# Altium PCB PCB_3U_DDS.PcbDoc (part 9 of 12)
Units mil, origin at the board's own origin, x right, y up, seen from the top; angles counter-clockwise.
Board outline 6338.37 x 3937 mil, 6 copper layers (L1, P2, L3, L4, P5, L6), stack 64.885 mil thick; 954 components, 537 nets, 3358 pads, 2342 vias.
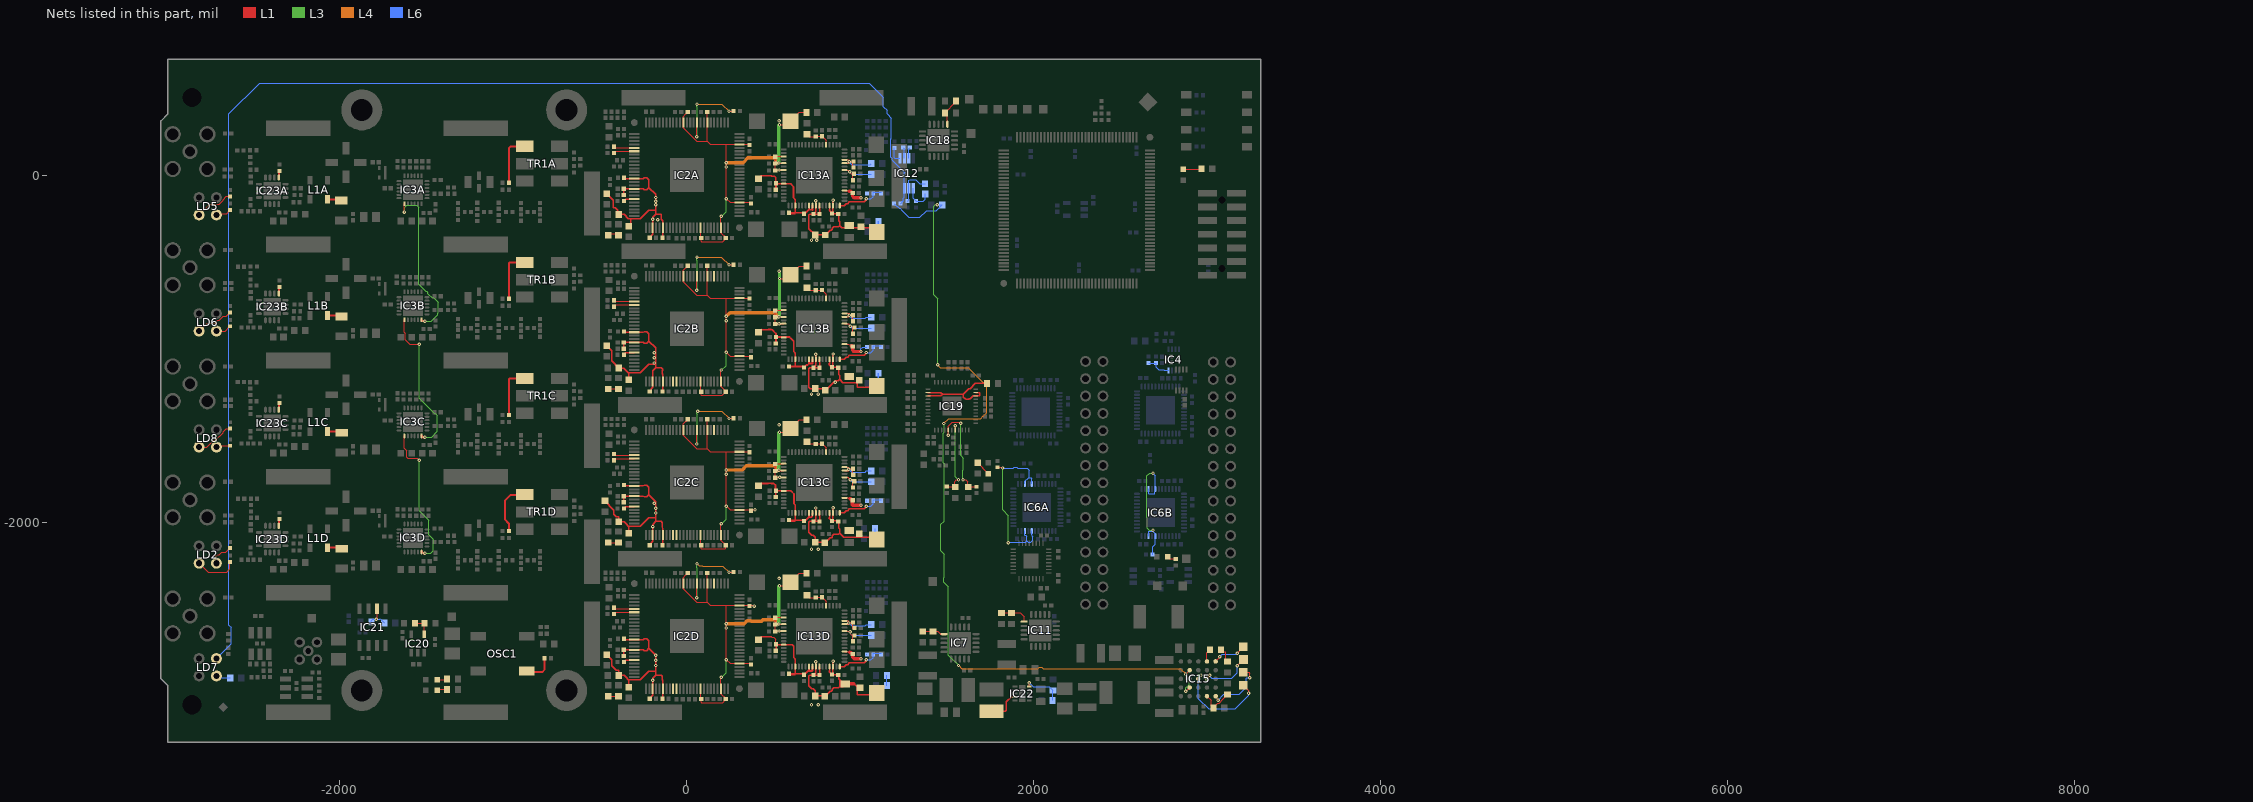
[diagram p13: the nets of this part, all layers, seen from the top]

## Via types
v1: diameter 19.68, hole 7.87, L1 to L6, tented both sides, 2254 vias
v2: diameter 23.62, hole 11.81, L1 to L6, tented both sides, 88 vias

## Nets (pads, with @x,y where several pads share a name; then routed paths per layer and width w, separated by ;. In a path a pad name is that pad's centre, name@x,y a point inside that pad or via, vN(x,y) a via of type N, cw(c..) or ccw(c..) an arc to the next point about the centre after c; other vN are vias at no path point) (continued)
NetIC2A_60: IC2A.60 R100A.1 | length 500.3
  L1 w5: v1(57.33,221.67) 57.33,301.43 IC2A.60@59.06,303.15 ; v1(243.11,368.99) 268.7,368.99 R100A.1@269.69,369.98
  L3 w5: v1(57.33,221.67) 58.68,223.02 58.68,394.3 57.33,395.65 57.33,408.5 v1(58.54,409.7)
  L4 w5: v1(58.54,409.7) 202.4,409.7 v1(243.11,368.99)
NetIC2A_80: IC2A.80 R56A.1 | length 118.9
  L1 w5: R56A.1@-420.47,161.31 -416.64,157.48 IC2A.80@-303.15,157.48
NetIC2A_81: IC2A.81 R78A.1 | length 131.3
  L1 w5: R78A.1@-420.47,121.94 R78A.1@-420.47,127.85 -420.47,134.54 -417.22,137.8 IC2A.81@-303.15,137.8
NetIC2A_95: IC2A.95 R88A.2 | length 64.4
  L1 w8: R88A.2@-362.6,-149.71 -351.77,-138.88 -304.24,-138.88 IC2A.95@-303.15,-137.8
NetIC2B_9: IC2B.9
NetIC2B_10: IC2B.10
NetIC2B_55: IC2B.55
NetIC2B_60: IC2B.60 R100B.1 | length 505.8
  L1 w5: v1(57.33,-664.16) 57.33,-584.4 IC2B.60@59.06,-582.68 ; v1(243.11,-516.83) 268.7,-516.83 R100B.1@269.69,-515.85
  L3 w5: v1(57.33,-664.16) 58.68,-662.81 58.68,-491.53 57.33,-490.18 57.33,-473.39 v1(58.54,-472.19)
  L4 w5: v1(58.54,-472.19) 198.46,-472.19 v1(243.11,-516.83)
NetIC2B_80: IC2B.80 R56B.1 | length 118.9
  L1 w5: R56B.1@-420.47,-724.51 -416.64,-728.35 IC2B.80@-303.15,-728.35
NetIC2B_81: IC2B.81 R78B.1 | length 131.3
  L1 w5: R78B.1@-420.47,-763.88 R78B.1@-420.47,-757.98 -420.47,-751.28 -417.22,-748.03 IC2B.81@-303.15,-748.03
NetIC2B_95: IC2B.95 R88B.2 | length 64.4
  L1 w8: R88B.2@-362.6,-1035.54 -351.77,-1024.71 -304.24,-1024.71 IC2B.95@-303.15,-1023.62
NetIC2C_9: IC2C.9
NetIC2C_10: IC2C.10
NetIC2C_55: IC2C.55
NetIC2C_60: IC2C.60 R100C.1 | length 498
  L1 w5: v1(57.33,-1549.99) 57.33,-1470.23 IC2C.60@59.06,-1468.5 ; v1(243.11,-1402.66) 268.7,-1402.66 R100C.1@269.69,-1401.68
  L3 w5: v1(57.33,-1549.99) 58.68,-1548.64 58.68,-1377.35 57.33,-1376 57.33,-1367.09 v1(62.47,-1361.95)
  L4 w5: v1(62.47,-1361.95) 202.4,-1361.95 v1(243.11,-1402.66)
NetIC2C_80: IC2C.80 R56C.1 | length 118.9
  L1 w5: R56C.1@-420.47,-1610.34 -416.64,-1614.17 IC2C.80@-303.15,-1614.17
NetIC2C_81: IC2C.81 R78C.1 | length 131.3
  L1 w5: R78C.1@-420.47,-1649.71 R78C.1@-420.47,-1643.8 -420.47,-1637.11 -417.22,-1633.86 IC2C.81@-303.15,-1633.86
NetIC2C_95: IC2C.95 R88C.2 | length 64.4
  L1 w8: R88C.2@-362.6,-1921.36 -351.77,-1910.54 -304.24,-1910.54 IC2C.95@-303.15,-1909.45
NetIC2D_9: IC2D.9
NetIC2D_10: IC2D.10
NetIC2D_55: IC2D.55
NetIC2D_60: IC2D.60 R100D.1 | length 513.4
  L1 w5: v1(57.33,-2435.81) 57.33,-2356.05 IC2D.60@59.06,-2354.33 ; v1(243.11,-2288.49) 268.7,-2288.49 R100D.1@269.69,-2287.5
  L3 w5: v1(57.33,-2435.81) 58.68,-2434.46 58.68,-2263.18 57.33,-2261.83 57.33,-2241.11 v1(58.54,-2239.91)
  L4 w5: v1(58.54,-2239.91) 71.07,-2252.44 89.28,-2252.44 92.43,-2255.59 142.83,-2255.59 145.27,-2253.15 207.78,-2253.15 v1(243.11,-2288.49)
NetIC2D_80: IC2D.80 R56D.1 | length 118.9
  L1 w5: R56D.1@-420.47,-2496.17 -416.64,-2500 IC2D.80@-303.15,-2500
NetIC2D_81: IC2D.81 R78D.1 | length 131.3
  L1 w5: R78D.1@-420.47,-2535.54 R78D.1@-420.47,-2529.63 -420.47,-2522.94 -417.22,-2519.69 IC2D.81@-303.15,-2519.69
NetIC2D_95: IC2D.95 R88D.2 | length 64.4
  L1 w8: R88D.2@-362.6,-2807.19 -351.77,-2796.36 -304.24,-2796.36 IC2D.95@-303.15,-2795.28
NetIC3A_19: IC3A.19 IC3B.24 | length 960.4
  L1 w5.98: v1(-1627.95,-212.7) IC3A.19@-1627.95,-164.47
  L1 w11.81: IC3B.24@-1529.53,-833.76 -1530.84,-835.07 -1524.26,-841.65 v1(-1509.85,-841.65)
  L3 w5.98: v1(-1627.95,-212.7) -1627.09,-211.83 -1627.09,-184.24 -1615.79,-172.94 -1557,-172.94 -1545.97,-183.97 -1545.97,-629.82 -1505.85,-669.94 -1499.39,-669.94 -1492.95,-676.38 -1492.95,-682.84 -1468.39,-707.4 -1459.19,-707.4 -1433.07,-733.52 -1433.07,-792.39 -1436.14,-795.46 -1436.14,-805.42 -1472.37,-841.65 v1(-1509.85,-841.65)
NetIC3B_19: IC3B.19 IC3C.24 | length 866.9
  L1 w5.98: IC3B.19@-1627.95,-833.76 -1627.95,-904.73 -1621.93,-910.75 -1621.93,-949.92 -1597.34,-974.51 v1(-1543.31,-974.51)
  L1 w11.81: IC3C.24@-1529.53,-1503.06 -1529.69,-1503.22 -1521.97,-1510.94 v1(-1509.85,-1510.94)
  L3 w5.98: v1(-1543.31,-974.51) -1543.31,-1287.5 -1454.37,-1376.44 -1448.17,-1376.44 -1437.73,-1386.89 -1437.73,-1477.2 -1471.47,-1510.94 v1(-1509.85,-1510.94)
NetIC3C_19: IC3C.19 IC3D.24 | length 842.6
  L1 w5.98: IC3C.19@-1627.95,-1503.06 -1627.95,-1574.02 -1614.29,-1587.68 -1614.29,-1626.85 -1609.03,-1632.11 -1555,-1632.11 v1(-1543.31,-1643.8)
  L1 w11.81: IC3D.24@-1529.53,-2172.35 -1527.56,-2170.38 -1517.71,-2180.23 v1(-1509.85,-2180.23)
  L3 w5.98: v1(-1543.31,-1643.8) -1543.31,-1933.91 -1487.15,-1990.06 -1487.15,-2072.58 -1461.5,-2098.24 -1461.5,-2166.36 -1475.37,-2180.23 v1(-1509.85,-2180.23)
NetIC4_8: IC4.8 R31.1 R32.2 | length 148.3
  L6 w5.98: R31.1@2661.42,-1083.57 R32.2@2704.72,-1083.57 2704.72,-1108.37 2719.27,-1122.91 2749.53,-1122.91 2752.7,-1126.09 IC4.8@2777.56,-1126.09
NetIC6A_20: IC6A.20 IC6A.22 IC6A.39 IC6A.41 R14A.1 | length 1072.9
  L1 w5: R14A.1@1791.34,-1683.96 1815.75,-1683.96 v1(1819.88,-1688.09)
  L3 w5: v1(1819.88,-1688.09) 1819.88,-1930.22 1852.73,-1963.07 v1@1852.73,-2119.92 ; v1(1852.51,-2119.92) v1@1852.73,-2119.92 ; v1@1852.73,-2119.92 1852.73,-2125.62 1855.47,-2122.88 1858.43,-2119.92 v1@1852.73,-2119.92
  L6 w5: v1(1819.88,-1688.09) 1820.87,-1689.08 1880.58,-1689.08 1887.09,-1682.56 1902.28,-1682.56 1908.79,-1689.08 1961.61,-1689.08 1973.43,-1700.89 1973.43,-1744.2 ; v1(1852.51,-2119.92) 1856.16,-2116.26 1954.29,-2116.26 1958.68,-2111.87 1958.68,-2111.78 1961.08,-2109.37 ; IC6A.22@1948.82,-2051.28 1948.82,-2074.98 1950.69,-2076.85 1954.29,-2076.85 1958.68,-2081.25 1958.68,-2106.97 1961.08,-2109.37 ; IC6A.39@1948.82,-1779.63 1948.82,-1765.85 1970.47,-1744.2 1973.43,-1744.2 ; IC6A.20@1988.19,-2051.28 1988.19,-2072.72 1990.51,-2072.72 1990.51,-2081.06 1993.85,-2084.4 1993.85,-2104.77 1983.7,-2114.93 1966.64,-2114.93 1961.08,-2109.37 ; IC6A.41@1988.19,-1779.63 1988.19,-1748.13 1984.25,-1744.2 1973.43,-1744.2
NetIC6B_20: IC6B.20 IC6B.22 IC6B.39 IC6B.41 R14B.1 | length 770.2
  L3 w5.98: v1(2687.01,-2047.27) 2664.27,-2047.27 2653.43,-2036.43 2653.43,-1974.43 2652,-1973 2652,-1733 2667,-1718 2686.4,-1718 v1(2687.01,-1718.61)
  L6 w5.98: IC6B.22@2661.42,-2080.81 2661.42,-2054.73 2662.9,-2053.25 2687.01,-2053.25 2700.79,-2067.03 IC6B.20@2700.79,-2080.81 2700.79,-2107.64 2701.5,-2108.35 2701.5,-2127.35 2687.01,-2141.83 2687.01,-2184.95 R14B.1@2684.84,-2187.11 ; IC6B.39@2661.42,-1809.16 2661.42,-1835.23 2662.9,-1836.72 2696.85,-1836.72 2696.85,-1826.87 2700.79,-1822.94 IC6B.41@2700.79,-1809.16 2700.79,-1732.39 v1(2687.01,-1718.61)
NetIC7_16: IC7.16 R23.1 R80.2 | length 127.9
  L1 w5.98: R80.2@1360.24,-2630.02 R23.1@1419.29,-2630.02 1446.85,-2630.02 1462.24,-2645.42 IC7.16@1481.76,-2645.42
NetIC11_16: IC11.16 R118.1 R119.2 | length 167.4
  L1 w5.98: R119.2@1812.99,-2523.72 R118.1@1872.05,-2523.72 1921.26,-2523.72 1944.36,-2546.83 IC11.16@1944.36,-2573.25
NetIC12_1: IC12.1 R121.1 R124.2 | length 168.5
  L6 w5: IC12.1@1304.9,-76.2 1304.9,-132.47 1304.44,-132.93 R124.2@1321.43,-149.91 1363.18,-149.91 1374.02,-139.08 R121.1@1374.02,-108.58
NetIC12_2: IC12.2 R122.1 R125.2 | length 228.5
  L6 w5: R125.2@1272.21,-149.91 1279.31,-142.82 IC12.2@1279.31,-76.2 1279.31,-29.79 1283.51,-25.58 1318.51,-25.58 1342.51,-49.58 R122.1@1373.02,-49.58
NetIC12_3: IC12.3 LD7.3 R123.1 | length 7736.1
  L6 w5: LD7.3@-2711.81,-2786.72 -2626.36,-2701.26 -2626.36,-2607.09 -2639.49,-2593.96 -2639.49,353.42 -2462.49,530.42 1051.8,530.42 1133.51,448.7 1133.51,395.24 1155.2,373.55 1155.2,352.71 1178.51,329.4 1178.51,210.15 1176.81,208.45 1176.81,103.65 1184.15,96.31 1184.15,85.92 1227.51,42.56 1227.51,41.42 1255.51,13.42 1253.72,11.62 IC12.3@1253.72,-76.2 1252.51,-77.4 1252.51,-128.58 1248.51,-132.58 1248.51,-147.58 ; R123.1@1232.02,-163.58 1232.51,-163.58 1248.51,-147.58 ; 1249,-147.09 1248.51,-147.58
NetIC12_5: IC12.5 R126.2 | length 90.1
  L6 w5: R126.2@1196.51,156.91 1196.51,99.42 1198.9,97.03 IC12.5@1228.13,97.03
NetIC12_6: IC12.6 R127.2 | length 64.5
  L6 w5: R127.2@1247.51,158.91 1253.72,152.71 IC12.6@1253.72,97.03
NetIC12_7: IC12.7 R128.2 | length 64.5
  L6 w5: IC12.7@1279.31,97.03 1279.31,152.71 R128.2@1285.51,158.91
NetIC13A_32: IC13A.32 R93A.1 R94A.2 | length 287.3
  L1 w8: IC13A.32@881.5,-175.2 906.1,-175.2 917.77,-163.53 926.46,-163.53 937.33,-152.66 1022.64,-152.66 1034.74,-140.56 v1(1034.74,-136.62)
  L6 w6.69: v1(1034.74,-136.62) 1061.32,-136.62 1074.41,-123.53 R93A.1@1074.41,-105.53 1074.41,-98.53 R94A.2@1120.08,-98.53
NetIC13B_32: IC13B.32 R93B.1 R94B.2 | length 287.3
  L1 w8: IC13B.32@881.5,-1061.02 906.1,-1061.02 917.77,-1049.35 926.46,-1049.35 937.33,-1038.49 1022.64,-1038.49 1034.74,-1026.38 v1(1034.74,-1022.45)
  L6 w6.69: v1(1034.74,-1022.45) 1061.32,-1022.45 1074.41,-1009.35 R93B.1@1074.41,-991.35 1074.41,-984.35 R94B.2@1120.08,-984.35
NetIC13C_32: IC13C.32 R93C.1 R94C.2 | length 287.3
  L1 w8: IC13C.32@881.5,-1946.85 906.1,-1946.85 917.77,-1935.18 926.46,-1935.18 937.33,-1924.32 1022.64,-1924.32 1034.74,-1912.21 v1(1034.74,-1908.27)
  L6 w6.69: v1(1034.74,-1908.27) 1061.32,-1908.27 1074.41,-1895.18 R93C.1@1074.41,-1877.18 1074.41,-1870.18 R94C.2@1120.08,-1870.18
NetIC13D_32: IC13D.32 R93D.1 R94D.2 | length 287.7
  L1 w8: IC13D.32@881.5,-2832.68 906.1,-2832.68 917.77,-2821.01 926.46,-2821.01 937.33,-2810.14 1022.64,-2810.14 1034.74,-2798.04 v1(1034.74,-2793.84)
  L6 w6.69: v1(1034.74,-2793.84) 1061.06,-2793.84 1061.32,-2794.1 1074.41,-2781.01 R93D.1@1074.41,-2763.01 1074.41,-2756.01 R94D.2@1120.08,-2756.01
NetIC15_A4: IC15.A4 R84.1 | length 74.3
  L1 w5.98: IC15.A4@2998.43,-2803.54 2998.43,-2753.15 R84.1@3015.35,-2736.22
NetIC15_A5: IC15.A5 TP4.1 | length 196.4
  L1 w5.98: IC15.A5@3048.43,-2803.54 3071.99,-2779.98 v1(3071.98,-2777.24) ; v1(3172.19,-2755.19) 3208,-2719.38 TP4.1@3208,-2719
  L6 w5.98: v1(3071.98,-2777.24) 3087.31,-2761.91 3165.46,-2761.91 v1(3172.19,-2755.19)
NetIC15_B2: IC15.B2 IC15.D2 R120.2 R123.2 | length 5066.1
  L1 w5: v1(2875.14,-2974.1) 2877.87,-2974.1 IC15.D2@2898.43,-2953.54 ; v1(2875.14,-2876.83) IC15.B2@2898.43,-2853.54
  L3 w5: v1(1442.51,-170.58) 1438.51,-170.58 1435.51,-167.58 1423.51,-179.58 1423.51,-689.58 1445.51,-711.58 v1(1445.51,-1092.58) ; v1(1481.51,-1431.58) 1483.51,-1433.58 1483.51,-1482.09 1478.55,-1487.05 1478.55,-1657.52 1483.51,-1662.49 1483.51,-1994.4 1464.15,-2013.76 1464.15,-2165.22 1483.51,-2184.58 1483.51,-2318.58 1481.51,-2320.58 1481.51,-2346.35 1506.74,-2371.58 1506.74,-2767.12 v1(1566.09,-2826.46) ; v1(2875.14,-2974.1) 2875.14,-2954.34 2880.57,-2948.92 2885.48,-2948.92 2895.64,-2938.76 2895.64,-2924.39 2885.48,-2914.23 2880.57,-2914.23 2875.14,-2908.81 v1(2875.14,-2876.83)
  L4 w5: v1@1434.51,-171.58 1441.51,-171.58 v1(1442.51,-170.58) ; v1(1445.51,-1092.58) 1445.51,-1096.58 1459.51,-1110.58 1623.51,-1110.58 1729.94,-1217.01 1729.94,-1370.15 1712.51,-1387.58 1709.88,-1387.58 1692.88,-1404.58 1508.51,-1404.58 v1(1481.51,-1431.58) ; v1(1566.09,-2826.46) 1585.77,-2846.14 2023.29,-2846.14 2031.78,-2837.66 2046.96,-2837.66 2055.45,-2846.14 2845.62,-2846.14 2875.14,-2875.67 v1(2875.14,-2876.83)
  L6 w5: R123.2@1195.01,-163.58 1210.32,-178.89 1213.1,-178.89 1225.21,-191.01 1228.78,-191.01 1238.94,-201.17 1238.94,-202.54 1280.33,-243.93 1343.17,-243.93 1382.51,-204.58 1439.01,-204.58 R120.2@1472.01,-171.58 1471.01,-170.58 v1(1442.51,-170.58)
NetIC15_C3: IC15.C3 TP1.1 | length 588.9
  L1 w5: IC15.C3@2948.43,-2903.54 2966.45,-2885.51 v1(2963.73,-2882.79) ; TP1.1@3207,-2940 3238,-2971 v1(3238,-2987)
  L6 w5: v1(2963.73,-2882.79) 2963.73,-2885.51 2948.43,-2900.82 2948.43,-3017.82 3007.48,-3076.87 3160.13,-3076.87 3238,-2999 v1(3238,-2987)
NetIC15_C4: IC15.C4 TP2.1 | length 298.7
  L1 w5: IC15.C4@2998.43,-2903.54 2998.43,-2900.87 3014.87,-2884.42 v1(3014.87,-2883.79) ; v1(3172.19,-2828.81) TP2.1@3209,-2792
  L6 w5: v1(3014.87,-2883.79) 3014.87,-2887.45 3027.13,-2899.71 3142.29,-2899.71 3173,-2869 3173,-2829.62 v1(3172.19,-2828.81)
NetIC15_E4: IC15.E4 R55.1 R82.1 | length 197.8
  L1 w5.98: IC15.E4@2998.43,-3003.54 3022.78,-3027.9 3022.78,-3058.61 R55.1@3035.04,-3070.87 3035.04,-3070.11 3059.75,-3045.39 3064.45,-3045.39 3065.43,-3044.41 3069.54,-3044.41 3079.99,-3033.96 3079.99,-3029.86 R82.1@3115.75,-2994.09
NetIC15_E5: IC15.E5 TP3.1 | length 361.7
  L1 w5: IC15.E5@3048.43,-3003.54 3048.43,-3010.43 3063.36,-3025.37 v1(3062.15,-3026.57) ; TP3.1@3208,-2866 3240.81,-2866 3244.81,-2870 v1(3244.81,-2897)
  L6 w5: v1(3062.15,-3026.57) 3094.94,-2993.78 3183.22,-2993.78 3224.86,-2952.14 3224.86,-2900.59 3228.46,-2897 v1(3244.81,-2897)
NetIC18_16: IC18.16 R129.1 R130.2 | length 165.7
  L1 w5.98: IC18.16@1501.97,293.2 1501.97,344.39 R130.2@1488.19,358.17 1488.19,360.13 1551.18,423.13 R129.1@1551.18,427.06
NetIC19_2: IC19.2 IC19.3 IC19.31 IC19.32 R141.2 | length 620.8
  L1 w7.87: IC19.3@1389.76,-1272.74 1411.74,-1272.74 ; IC19.2@1389.76,-1253.06 1411.74,-1253.06 ; IC19.31@1653.54,-1272.74 IC19.31@1665.35,-1272.74 1687.33,-1272.74 1687.33,-1254.26 1686.13,-1253.06 ; IC19.32@1665.35,-1253.06 1686.13,-1253.06 ; 1687.33,-1253.06 1686.13,-1253.06
  L1 w8.32: 1411.74,-1272.74 1463.43,-1272.74 1473.86,-1262.3 ; 1411.74,-1253.06 1464.62,-1253.06 1473.86,-1262.3 ; 1591.84,-1262.3 1473.86,-1262.3 ; IC19.31@1653.54,-1272.74 1650.49,-1272.74 1633.86,-1289.37 1627.16,-1289.37 1624.74,-1291.79 1609,-1291.79 1606.59,-1289.37 1604.33,-1289.37 1594.49,-1279.53 1594.49,-1262.3 1625,-1231.79 1632.39,-1231.79 1633.86,-1230.32 1663.39,-1200.79 R141.2@1730.31,-1200.79
NetIC19_16: IC19.16 R103.2 R108.1 | length 578.6
  L1 w5.98: v1(1506.87,-1498.79) 1507.87,-1497.79 IC19.16@1507.87,-1469.59 1507.87,-1447.61 1530.09,-1425.39 1574.43,-1425.39 v1(1579.86,-1430.83) ; v1(1591.86,-1756.83) 1607.15,-1756.83 1618.11,-1767.79 1618.11,-1793.41 R103.2@1622.05,-1797.35 1668.81,-1797.35 R108.1@1669.87,-1796.28
  L3 w5.98: v1(1579.86,-1430.83) 1579.86,-1615.83 1594.71,-1630.68 1594.71,-1698.74 1591.86,-1701.59 v1(1591.86,-1756.83)
NetIC19_18: IC19.18 R109.2 R110.1 | length 456
  L1 w5.98: R110.1@1498.87,-1795.28 R109.2@1545.18,-1795.28 ; R109.2@1547.24,-1797.35 R109.2@1545.18,-1795.28 ; IC19.18@1547.24,-1469.59 v1(1547.24,-1444.21) ; v1(1565.86,-1756.83) 1554.27,-1756.83 1543.31,-1767.79 1543.31,-1793.41 R109.2@1545.18,-1795.28
  L3 w5.98: v1(1547.24,-1444.21) 1545.86,-1442.83 1545.86,-1444.21 1545.86,-1739.83 1562.86,-1756.83 v1(1565.86,-1756.83)
NetIC20_4: IC20.4 R131.1 R132.2 | length 119.7
  L1 w5: R131.1@-1567.71,-2582.78 R132.2@-1512.59,-2582.78 -1513.78,-2583.97 IC20.4@-1513.78,-2646.89
NetIC21_2: IC21.2 R133.1 R135.2 | length 160.4
  L1 w6: v1(-1790.21,-2560.71) -1786.02,-2556.52 IC21.2@-1786.02,-2498.69
  L6 w6: R135.2@-1818.9,-2576.87 -1818.9,-2569.71 -1809.9,-2560.71 v1(-1790.21,-2560.71) -1770.56,-2560.71 -1767.38,-2557.53 R133.1@-1744.09,-2580.81
NetIC22_5: IC22.5 R134.1 R136.2 | length 233.3
  L1 w5.98: IC22.5@1974.41,-2948.92 v1(1974.41,-2927.27)
  L6 w5.98: v1(1974.41,-2927.27) 1997.17,-2950.02 2089.69,-2950.02 R136.2@2110.24,-2970.57 2108.27,-2972.54 R134.1@2108.27,-3027.66
NetIC22_9: IC22.9 L4.1 | length 252.3
  L1 w5.98: L4.1@1755.91,-3090.65 L4.1@1793.72,-3052.84
  L1 w10: L4.1@1755.91,-3090.65 1836.44,-3090.65 1841.68,-3085.41 1841.68,-3036.38 1870.08,-3007.98 IC22.9@1891.73,-3007.98
NetIC23A_5: IC23A.5 R138A.2 | length 39.7
  L1 w11.81: IC23A.5@-2352.22,-13.47 -2352.22,20.91 R138A.2@-2348.43,24.7
NetIC23B_5: IC23B.5 R138B.2 | length 39.7
  L1 w11.81: IC23B.5@-2352.22,-682.76 -2352.22,-648.38 R138B.2@-2348.43,-644.59
NetIC23C_5: IC23C.5 R138C.2 | length 39.7
  L1 w11.81: IC23C.5@-2352.22,-1352.05 -2352.22,-1317.68 R138C.2@-2348.43,-1313.88
NetIC23D_5: IC23D.5 R138D.2 | length 39.7
  L1 w11.81: IC23D.5@-2352.22,-2021.34 -2352.22,-1986.97 R138D.2@-2348.43,-1983.17
NetL1A_1: L1A.1 R137A.2 | length 70.7
  L1 w11.81: L1A.1@-2072.05,-139.63 -2010.08,-139.63 R137A.2@-2003.94,-145.77
NetL1B_1: L1B.1 R137B.2 | length 70.7
  L1 w11.81: L1B.1@-2072.05,-808.92 -2010.08,-808.92 R137B.2@-2003.94,-815.06
NetL1C_1: L1C.1 R137C.2 | length 70.7
  L1 w11.81: L1C.1@-2072.05,-1478.21 -2010.08,-1478.21 R137C.2@-2003.94,-1484.35
NetL1D_1: L1D.1 R137D.2 | length 70.7
  L1 w11.81: L1D.1@-2072.05,-2147.5 -2010.08,-2147.5 R137D.2@-2003.94,-2153.65
NetLD1_2: LD1.2 R5.1 | length 55.1
  L1 w5.98: LD1.2@-1436.81,-2964.46 R5.1@-1381.69,-2964.46
NetLD2_2: LD2.2 R25.2 | length 248.3
  L1 w5: LD2.2@-2811.81,-2237.11 -2759.45,-2289.47 -2653.54,-2289.47 -2633.86,-2269.79 R25.2@-2633.86,-2229.24
NetLD2_4: LD2.4 R26.2 | length 140.9
  L1 w5: LD2.4@-2711.81,-2237.11 -2711.81,-2190.91 -2708.49,-2187.58 -2694.29,-2187.58 -2680.41,-2173.7 -2657.07,-2173.7 R26.2@-2633.86,-2150.5
NetLD3_2: LD3.2 R33.1 | length 50.8
  L1 w5: LD3.2@2772.64,-2200.89 2783.66,-2211.91 R33.1@2818.9,-2211.91
NetLD4_2: LD4.2 R115.1 | length 88.4
  L1 w5.98: R115.1@1677.17,-1657.58 1706.69,-1687.11 1706.69,-1689.08 1736.22,-1718.61 LD4.2@1736.22,-1721.56
NetLD5_2: LD5.2 R27.2 | length 224.5
  L1 w5.98: LD5.2@-2811.81,-229.24 -2751.3,-168.72 -2695.45,-168.72 -2672.32,-145.59 -2672.32,-141.32 -2653.94,-122.94 R27.2@-2633.86,-122.94
NetLD5_4: LD5.4 R28.2 | length 88.1
  L1 w5.98: LD5.4@-2712.6,-222.54 -2711.81,-222.54 -2653.54,-222.54 -2633.86,-202.86 R28.2@-2633.86,-201.68
NetLD6_2: LD6.2 R29.2 | length 222
  L1 w5: LD6.2@-2811.81,-898.53 -2765.75,-852.46 -2718.47,-852.46 -2703.53,-837.52 -2695.66,-837.52 -2671.23,-813.09 -2654.72,-813.09 R29.2@-2633.86,-792.23
NetLD6_4: LD6.4 R30.2 | length 90.1
  L1 w5: LD6.4@-2711.81,-898.53 -2660.24,-898.53 -2633.86,-872.15 R30.2@-2633.86,-870.97
NetLD7_4: LD7.4 R143.1 | length 84.7
  L6 w5: LD7.4@-2711.81,-2886.72 -2699.94,-2898.58 R143.1@-2631.98,-2898.58
NetLD8_2: LD8.2 R43.2 | length 224.1
  L1 w5: LD8.2@-2811.81,-1567.82 -2766.96,-1567.82 -2727.96,-1528.82 -2717.67,-1528.82 -2672.81,-1483.97 -2672.81,-1480.4 -2653.94,-1461.52 R43.2@-2633.86,-1461.52
NetLD8_4: LD8.4 R44.2 | length 81.2
  L1 w5: LD8.4@-2711.81,-1567.82 -2703.94,-1559.94 R44.2@-2633.86,-1559.94
NetLD9_2: LD9.2 R139.1 | length 60
  L1 w5: LD9.2@-1439.96,-2909.55 -1385.83,-2909.55 R139.1@-1381.69,-2905.41
NetLD10_2: LD10.2 R116.1 | length 104.1
  L1 w5.98: LD10.2@2862.51,34.9 2964.5,34.9 R116.1@2966.02,36.42
NetOSC1_3: OSC1.3 R117.2 | length 177.3
  L1 w10: OSC1.3@-923.03,-2857.98 -916.43,-2864.58 -834.49,-2864.58 -819.99,-2850.09 R117.2@-819.99,-2784.58
NetR59A_1: R59A.1 TR1A.1 | length 295.1
  L1 w11.81: R59A.1@-1025.75,-43.69 -1025.75,155.41 -1014.84,166.31 TR1A.1@-934.25,166.31
NetR59B_1: R59B.1 TR1B.1 | length 298.5
  L1 w11.81: R59B.1@-1025.75,-712.98 -1025.75,-508.13 -1020.59,-502.98 TR1B.1@-934.25,-502.98
NetR59C_1: R59C.1 TR1C.1 | length 298.5
  L1 w11.81: R59C.1@-1025.75,-1382.27 -1025.75,-1177.43 -1020.59,-1172.27 TR1C.1@-934.25,-1172.27
NetR59D_1: R59D.1 TR1D.1 | length 314
  L1 w11.97: R59D.1@-1025.75,-2051.56 -1025.75,-2007.82 -1049.21,-1984.35 -1049.21,-1876.87 -1015.13,-1842.79 -960.63,-1842.79 -959.4,-1841.56 TR1D.1@-934.25,-1841.56
NetR84_2: R84.2 R87.1 | length 91.8
  L1 w5.98: R84.2@3078.35,-2736.22 3089.85,-2747.72 3105.91,-2747.72 3105.91,-2793.31 R87.1@3115.75,-2803.15
NetR90A_1: R90A.1 R92A.2 | length 59.1
  L1 w5: R92A.2@-452.76,-336.61 R90A.1@-393.7,-336.61
NetR90B_1: R90B.1 R92B.2 | length 59.9
  L1 w5: R92B.2@-452.76,-1232.28 -395.67,-1232.28 -394.69,-1231.3 R90B.1@-393.7,-1230.32
NetR90C_1: R90C.1 R92C.2 | length 59.1
  L1 w5: R92C.2@-452.76,-2118.11 R90C.1@-393.7,-2118.11
NetR90D_1: R90D.1 R92D.2 | length 50
  L1 w5: R92D.2@-452.76,-3003.94 -405.51,-3003.94 R90D.1@-403.54,-3001.97
NetR113A_2: R113A.2 R140A.1 | length 59.1
  L6 w8: R113A.2@1104.33,-324.8 R140A.1@1104.33,-265.75
NetR113B_2: R113B.2 R140B.1 | length 59.1
  L6 w8: R113B.2@1104.33,-1200.79 R140B.1@1104.33,-1141.73
NetR113C_2: R113C.2 R140C.1 | length 59.1
  L6 w6: R113C.2@1084.65,-2096.46 R140C.1@1084.65,-2037.4
NetR113D_2: R113D.2 R140D.1 | length 59.1
  L6 w6: R113D.2@1153.54,-2942.91 R140D.1@1153.54,-2883.86
P1V8_AVDDA: C135A.2 C136A.2 C138A.2 C140A.2 IC13A.11 IC13A.19 IC13A.23 IC13A.24 L17A.1 | length 668.7
  L1 w5: C136A.2@512.57,-84 C136A.2@512.57,-81.09 ; C140A.2@513.39,-47.35 C140A.2@513.39,-42.3 ; C135A.2@590.16,-222.54 625.59,-222.54
  L1 w10: L17A.1@420.87,-10.79 428.87,-2.79 485.61,-2.79 488.55,-5.73 504.82,-5.73 512.87,-13.79 512.87,-41.79 513.39,-42.3 515.91,-44.82 520.87,-49.79 558.66,-49.79 577.31,-49.79 577.68,-50.16 598.24,-50.16 614.87,-66.79 614.87,-130.79 625.59,-141.5 IC13A.19@625.59,-175.2 625.59,-217 ; C136A.2@511.87,-81.79 512.57,-81.09 513.39,-80.28 C140A.2@513.39,-47.35 ; C135A.2@588.57,-217 625.59,-217 ; IC13A.23@705.87,-178.79 705.87,-199.65 ; IC13A.24@724.02,-175.2 724.02,-200.29 720.87,-197.15 720.87,-196.79 718.01,-199.65 705.87,-199.65 ; 625.59,-217 670.09,-217 674.87,-221.79 675.2,-221.79 679.87,-221.79 702.01,-199.65 705.87,-199.65